# Altium PCB Booster_Main_Board.PcbDoc (part 7 of 11)
Units mil, origin at the board's own origin, x right, y up, seen from the top; angles counter-clockwise.
Board outline 15748.38 x 4626.33 mil, 4 copper layers (Component Side, Signal Layer 1, Power Plane, Solder Side), stack 63.149 mil thick; 999 components, 572 nets, 2902 pads, 1949 vias.
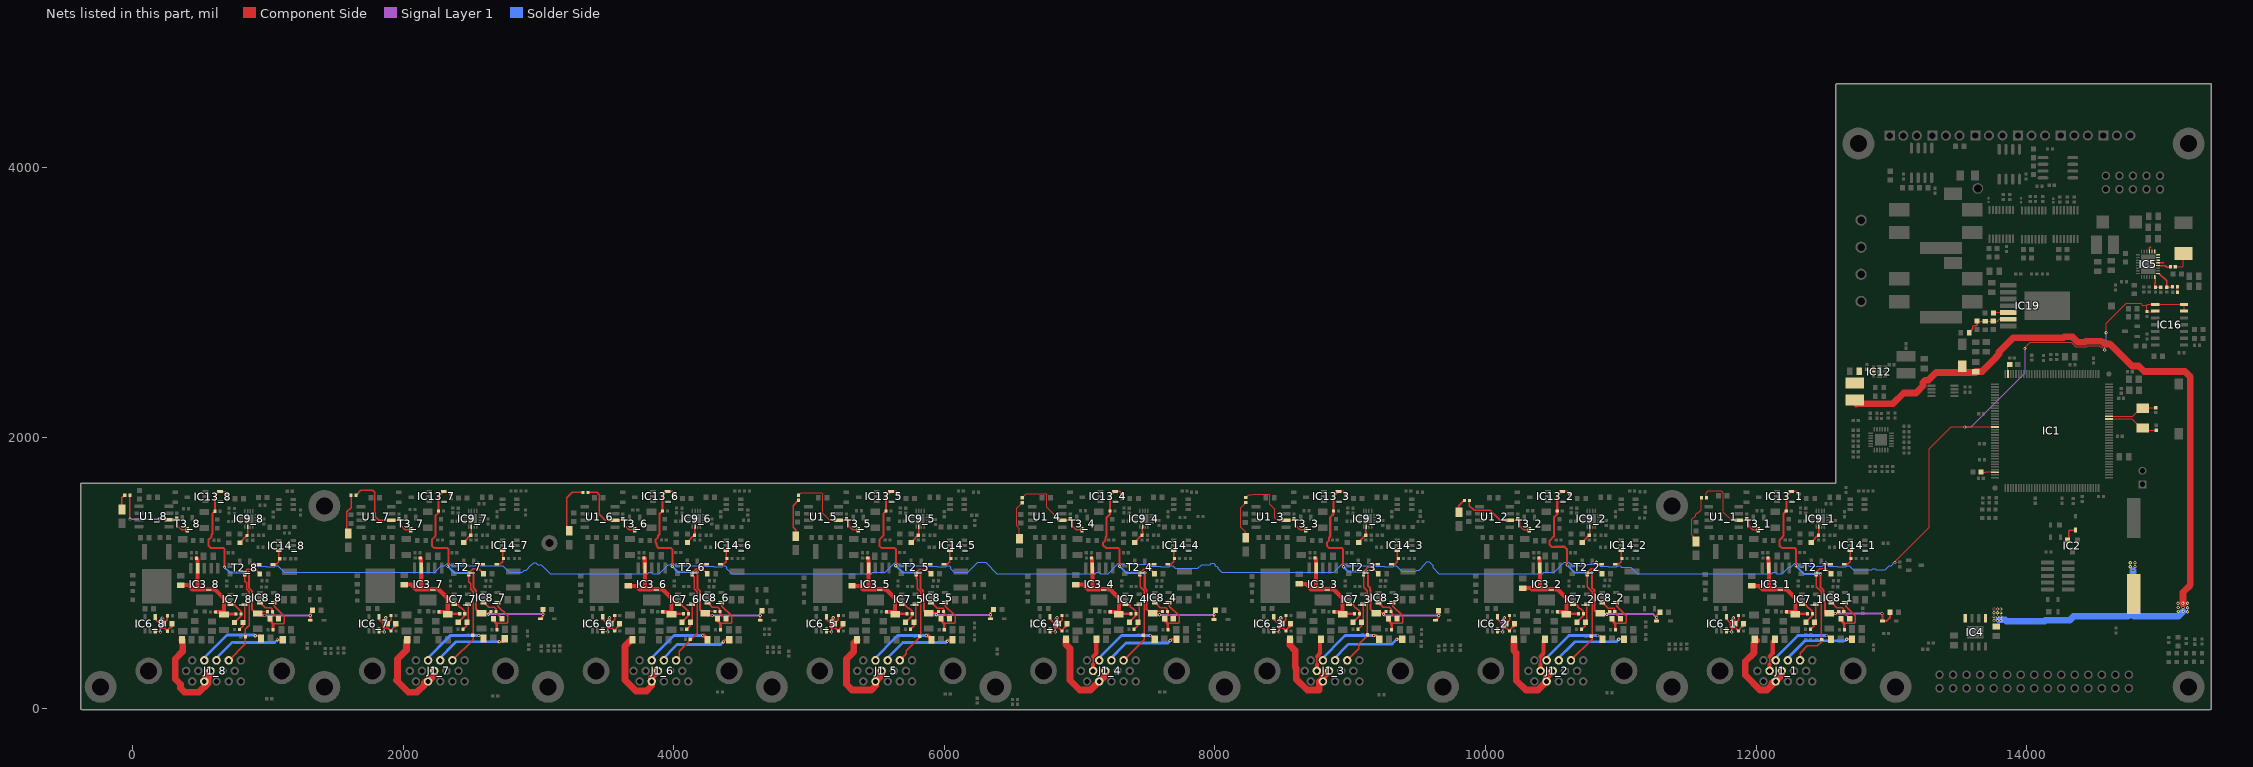
[diagram p9: the nets of this part, all layers, seen from the top]

## Via types
v1: diameter 23.62, hole 11.81, Component Side to Solder Side, tented both sides, 1910 vias
v2: diameter 50, hole 28, Component Side to Solder Side, tented both sides, 24 vias
v3: diameter 23.62, hole 11.81, Component Side to Solder Side, 10 vias
v4: diameter 47.24, hole 31.5, Component Side to Solder Side, 5 vias

## Nets (pads, with @x,y where several pads share a name; then routed paths per layer and width w, separated by ;. In a path a pad name is that pad's centre, name@x,y a point inside that pad or via, vN(x,y) a via of type N, cw(c..) or ccw(c..) an arc to the next point about the centre after c; other vN are vias at no path point) (continued)
NetC3_1: C3.1 IC1.23 Q1.1 | length 341.2
  Component Side w6: IC1.23@14607.26,2137.58 14777.42,2137.58 Q1.1@14823,2092 ; Q1.1@14857,2071.17 14872.88,2055.28 C3.1@14957,2055.28
NetC4_1: C4.1 IC1.24 Q1.2 | length 333.2
  Component Side w6: IC1.24@14607.26,2157.27 14785.27,2157.27 Q1.2@14826,2198 ; Q1.2@14857,2216.84 14860.88,2220.72 C4.1@14953,2220.72
NetC17_2: C17.2 IC1.106 | length 106.7
  Component Side w6: C17.2@13660.53,1746 13662.65,1743.88 13696.45,1743.88 13698.38,1745.81 13762.81,1745.81 IC1.106@13764.74,1743.88
NetC18_2: C18.2 IC1.71 | length 68.4
  Component Side w6: IC1.71@13861.2,2470.26 C18.2@13861.2,2538.67
NetC19_1_2: C19_1.2 IC3_1.4 R10_1.2 R11_1.1 R39_1.2 R49_1.2 | length 874.9
  Component Side w20: R39_1.2@12289.76,694.13 12292.77,697.14 R49_1.2@12378.67,697.14
  Component Side w30: C19_1.2@11967,903.57 12022.43,903.57 12046.86,879.14 12094.09,879.14 ; R10_1.2@12086.81,1110.47 12092.52,1104.76 12092.52,1037.24 IC3_1.4@12094.09,1035.67 12094.09,879.14 ; R11_1.1@12225.59,711.85 12272.05,711.85 R39_1.2@12289.76,694.13 12289.76,812.55 12223.17,879.14 12094.09,879.14
NetC19_2_2: C19_2.2 IC3_2.4 R10_2.2 R11_2.1 R39_2.2 R49_2.2 | length 867.4
  Component Side w20: R39_2.2@10596.85,694.13 10599.86,697.14 R49_2.2@10685.76,697.14
  Component Side w30: C19_2.2@10275,887.57 10334.57,887.57 10343,879.14 10401.18,879.14 ; R10_2.2@10393.9,1110.47 10399.61,1104.76 10399.61,1037.24 IC3_2.4@10401.18,1035.67 10401.18,879.14 ; R11_2.1@10532.68,711.85 10579.13,711.85 R39_2.2@10596.85,694.13 10596.85,812.55 10530.26,879.14 10401.18,879.14
NetC19_3_2: C19_3.2 IC3_3.4 R10_3.2 R11_3.1 R39_3.2 R49_3.2 | length 879.6
  Component Side w20: R39_3.2@8943.31,694.13 8946.31,697.14 R49_3.2@9032.21,697.14
  Component Side w30: C19_3.2@8622,918.57 8671.43,918.57 8710.86,879.14 8747.64,879.14 ; R10_3.2@8740.35,1110.47 8746.06,1104.76 8746.06,1037.24 IC3_3.4@8747.64,1035.67 8747.64,879.14 ; R11_3.1@8879.13,711.85 8925.59,711.85 R39_3.2@8943.31,694.13 8943.31,812.55 8876.72,879.14 8747.64,879.14
NetC19_4_2: C19_4.2 IC3_4.4 R10_4.2 R11_4.1 R39_4.2 R49_4.2 | length 876
  Component Side w20: R39_4.2@7289.76,694.13 7292.77,697.14 R49_4.2@7378.67,697.14
  Component Side w30: C19_4.2@6970,913.57 7025.43,913.57 7059.86,879.14 7094.09,879.14 ; R10_4.2@7086.81,1110.47 7092.52,1104.76 7092.52,1037.24 IC3_4.4@7094.09,1035.67 7094.09,879.14 ; R11_4.1@7225.59,711.85 7272.05,711.85 R39_4.2@7289.76,694.13 7289.76,812.55 7223.17,879.14 7094.09,879.14
NetC19_5_2: C19_5.2 IC3_5.4 R10_5.2 R11_5.1 R39_5.2 R49_5.2 | length 871.3
  Component Side w20: R39_5.2@5636.22,694.13 5639.23,697.14 R49_5.2@5725.13,697.14
  Component Side w30: C19_5.2@5317,903.57 5375.43,903.57 5399.86,879.14 5440.55,879.14 ; R10_5.2@5433.27,1110.47 5438.98,1104.76 5438.98,1037.24 IC3_5.4@5440.55,1035.67 5440.55,879.14 ; R11_5.1@5572.05,711.85 5618.5,711.85 R39_5.2@5636.22,694.13 5636.22,812.55 5569.63,879.14 5440.55,879.14
NetC19_6_2: C19_6.2 IC3_6.4 R10_6.2 R11_6.1 R39_6.2 R49_6.2 | length 870.2
  Component Side w20: R39_6.2@3982.68,694.13 3985.68,697.14 R49_6.2@4071.58,697.14
  Component Side w30: C19_6.2@3665,904.57 3722.43,904.57 3747.86,879.14 3787.01,879.14 ; R10_6.2@3779.72,1110.47 3785.43,1104.76 3785.43,1037.24 IC3_6.4@3787.01,1035.67 3787.01,879.14 ; R11_6.1@3918.5,711.85 3964.96,711.85 R39_6.2@3982.68,694.13 3982.68,812.55 3916.09,879.14 3787.01,879.14
NetC19_7_2: C19_7.2 IC3_7.4 R10_7.2 R11_7.1 R39_7.2 R49_7.2 | length 876.4
  Component Side w20: R39_7.2@2329.13,694.13 2332.14,697.14 R49_7.2@2418.04,697.14
  Component Side w30: C19_7.2@2009,913.57 2059.43,913.57 2093.86,879.14 2133.46,879.14 ; R10_7.2@2126.18,1110.47 2131.89,1104.76 2131.89,1037.24 IC3_7.4@2133.46,1035.67 2133.46,879.14 ; R11_7.1@2264.96,711.85 2311.42,711.85 R39_7.2@2329.13,694.13 2329.13,812.55 2262.54,879.14 2133.46,879.14
NetC19_8_2: C19_8.2 IC3_8.4 R10_8.2 R11_8.1 R39_8.2 R49_8.2 | length 876.3
  Component Side w20: R39_8.2@675.59,692.99 678.6,696 R49_8.2@764.5,696
  Component Side w30: C19_8.2@354.33,909.45 409.45,909.45 440.9,878 479.92,878 ; R10_8.2@472.64,1109.33 478.35,1103.62 478.35,1036.1 IC3_8.4@479.92,1034.53 479.92,878 ; R11_8.1@611.42,710.71 657.87,710.71 R39_8.2@675.59,692.99 675.59,811.41 609,878 479.92,878
NetC20_1_2: C20_1.2 R35_1.1 T3_1.3 U1_1.2 | length 658.6
  Component Side w6: R35_1.1@11632.68,1555.12 11632.68,1593.31 11645.18,1605.81 11740.65,1605.81 11757.78,1588.68 11757.78,1449.71 11818.87,1388.62 U1_1.2@11871.46,1388.62
  Component Side w10: U1_1.2@11871.46,1388.62 11918.37,1388.62 C20_1.2@11930.17,1400.43 11945.17,1385.43 11945.17,1350.14 11976.45,1318.87 T3_1.3@12017.17,1318.87
NetC20_2_2: C20_2.2 R35_2.1 T3_2.3 U1_2.2 | length 586.1
  Component Side w10: R35_2.1@9880.71,1535.43 9880.71,1497.24 9915.54,1462.42 10033.65,1462.42 10107.44,1388.62 U1_2.2@10178.54,1388.62 10225.46,1388.62 C20_2.2@10237.26,1400.43 10252.26,1385.43 10252.26,1350.14 10283.54,1318.87 T3_2.3@10324.26,1318.87
NetC20_3_2: C20_3.2 R35_3.1 T3_3.3 U1_3.2 | length 670.9
  Component Side w6: R35_3.1@8228.35,1556.31 8248.03,1576 8274.22,1576 8281.28,1583.06 8396.84,1583.06 8405.51,1574.38 8405.51,1525.49 8404.39,1524.37 8404.39,1507.13 8442.64,1468.88 8442.64,1406.34 8460.36,1388.62 U1_3.2@8525,1388.62
  Component Side w10: U1_3.2@8525,1388.62 8571.91,1388.62 C20_3.2@8583.72,1400.43 8598.72,1385.43 8598.72,1350.14 8629.99,1318.87 T3_3.3@8670.72,1318.87
NetC20_4_2: C20_4.2 R35_4.1 T3_4.3 U1_4.2 | length 652.9
  Component Side w6: R35_4.1@6574.8,1555.31 6604.3,1584.81 6751.97,1584.81 6758.13,1578.65 6758.13,1484.48 6809.88,1432.72 6809.88,1428.38 6849.65,1388.62 U1_4.2@6871.46,1388.62
  Component Side w10: U1_4.2@6871.46,1388.62 6918.37,1388.62 C20_4.2@6930.17,1400.43 6945.17,1385.43 6945.17,1350.14 6976.45,1318.87 T3_4.3@7017.17,1318.87
NetC20_5_2: C20_5.2 R35_5.1 T3_5.3 U1_5.2 | length 680.2
  Component Side w6: R35_5.1@4921.26,1573.62 4941.64,1594 5091,1594 5099.8,1585.2 5099.8,1440.2 5151.38,1388.62 U1_5.2@5217.91,1388.62
  Component Side w10: U1_5.2@5217.91,1388.62 5264.83,1388.62 C20_5.2@5276.63,1400.43 5291.63,1385.43 5291.63,1350.14 5322.91,1318.87 T3_5.3@5363.63,1318.87
NetC20_6_2: C20_6.2 R35_6.1 T3_6.3 U1_6.2 | length 575.1
  Component Side w10: R35_6.1@3364.96,1594.49 3433.16,1594.49 3449.04,1578.61 3449.04,1432.85 3493.27,1388.62 U1_6.2@3564.37,1388.62 3611.28,1388.62 C20_6.2@3623.09,1400.43 3638.09,1385.43 3638.09,1350.14 3669.36,1318.87 T3_6.3@3710.09,1318.87
NetC20_7_2: C20_7.2 R35_7.1 T3_7.3 U1_7.2 | length 673.2
  Component Side w10: R35_7.1@1652.36,1574.8 1687.13,1609.57 1776.25,1609.57 1791.34,1594.49 1791.34,1449.58 1794.46,1446.46 1794.46,1414.2 1820.04,1388.62 U1_7.2@1910.83,1388.62 1957.74,1388.62 C20_7.2@1969.54,1400.43 1984.54,1385.43 1984.54,1350.14 2015.82,1318.87 T3_7.3@2056.54,1318.87
NetC20_8_2: C20_8.2 R35_8.1 T3_8.3 U1_8.2 | length 689.6
  Component Side w10: R35_8.1@-20.87,1574.8 -20.87,1398.82 v1(-19.68,1397.63) ; v1(196.85,1397.64) 202.17,1392.32 U1_8.2@268.7,1392.32 ; U1_8.2@257.28,1387.48 308.2,1387.48 C20_8.2@327,1406.28 331,1402.28 331,1349 362.28,1317.72 T3_8.3@403,1317.72
  Signal Layer 1 w10: v1(-19.68,1397.63) v1(196.85,1397.64)
NetC21_2: C21.2 C54.1 C61.1 D3.1 IC4.5 IC4.8 L1.1 | length 6264.1
  Component Side w50: L1.1@12739.99,2249 12741.99,2251 13012,2251 13091,2330 13180.54,2330 13233.86,2383.31 13233.86,2406.08 13252.02,2424.24 13273.08,2424.24 13330.84,2482 C54.1@13623.03,2482 ; C54.1@13623.03,2488.19 13670.42,2488.19 13773.19,2590.96 13773.19,2596.67 13794.83,2618.31 13794.83,2632.29 13900.98,2738.45 14273.31,2738.45 14279.51,2744.65 14337.5,2744.65 14377.95,2704.2 14427.84,2704.2 14435.93,2712.29 14549.78,2712.29 14557.28,2704.78 14567.71,2704.78 14579.72,2692.77 14614.31,2692.77 14777.88,2529.2 14827.6,2529.2 14868.61,2488.19 15169.81,2488.19 15209,2449 15209,912 15154,857 v1(15154,775) 15154,770 v1@15156,768
  Solder Side w50: v1@13793,653 13840.07,653 13849.87,643.2 14131.88,643.2 14138.28,649.61 14316.61,649.61 14346.13,679.13 14746.59,679.13 14754.27,686.81 14789.73,686.81 ; v1(14785,1015) 14785,691.54 14789.73,686.81 ; v1(15156,716) 15119.13,679.13 14797.41,679.13 14789.73,686.81
  other v1: 13758,647 13784,647 13809,647 13758,675 13784,675 13809,675 13809,704 13758,705 13783,705 15189,713 15120,715 13758,733 13783,733 13809,733 15189,743 15120,744 15155,744 15118,776 15189,776 14765,1045 14800,1045 14765,1075 14800,1075
NetC23_1: C23.1 IC5.18 | length 98.5
  Component Side w10: IC5.18@14971.66,3271.76 15023.7,3271.76 15036.57,3258.89 C23.1@15064.86,3258.89
NetC23_2: C23.2 IC5.19 IC5.20 IC5.21 IC5.22 IC5.23 IC5.24 IC5.25 L3.1 | length 222.1
  Component Side w6: C23.2@15098.43,3261.81 15151.57,3261.81 15157.48,3267.72 15157.48,3330.71 L3.1@15170.28,3343.5
  Component Side w10: IC5.25@14906.7,3376.09 14906.7,3398.83 14917.32,3409.45 ; IC5.19@14971.66,3291.45 15007.98,3291.45 15011.81,3295.28
NetC26_2: C26.2 IC5.15 R15.2 | length 176.4
  Component Side w10: IC5.15@14971.66,3212.71 14979.76,3212.71 15034.86,3157.61 C26.2@15034.86,3111.32 15072.15,3111.32 R15.2@15075.98,3115.16 ; 15035.86,3142.61 15036.86,3141.61
NetC27_2: C27.2 R15.1 | length 40.8
  Component Side w6: R15.1@15112.99,3115.16 15114.17,3113.98 C27.2@15114.17,3074.8
NetC28_1_2: C28_1.2 D6_1.2 IC13_1.5 R38_1.1 R46_1.2 R86_1.2 R104_1.1 | length 1855.5
  Component Side w10: IC13_1.5@12259.76,1602.72 12295.98,1602.72 R86_1.2@12315.38,1583.32 ; R38_1.1@12539.17,702.09 12597.09,702.09 12610,715 R46_1.2@12610.67,715
  Component Side w15: 12230.01,1183 12191.52,1183 12172.75,1201.77 12172.75,1242.75 12189.75,1259.75 12189.75,1260.94 12202,1273.19 12202,1436.47 R104_1.1@12222.67,1457.14 12222.67,1565.62 IC13_1.5@12259.76,1602.72 ; 12230.04,1183.03 12286.5,1183.03 12294.41,1175.12 12294.41,1052.41 v1(12294,1052) ; v1(12476,991) 12476,893.25 12498.5,870.75 12498.5,850.73 12508,841.23 R38_1.1@12508,697 ; v1(12930,700) 12933.82,696.18 D6_1.2@12933.82,645 12965,645 12988.5,668.5 C28_1.2@12988.5,710
  Signal Layer 1 w15: v1(12585,700) v1(12930,700)
  Solder Side w15: v1(12294,1052) 12355,991 v1(12476,991)
NetC28_2_2: C28_2.2 D6_2.2 IC13_2.5 R38_2.1 R46_2.2 R86_2.2 R104_2.1 | length 1815.4
  Component Side w10: IC13_2.5@10566.85,1602.72 10603.07,1602.72 R86_2.2@10622.47,1583.32 ; R38_2.1@10846.26,702.09 10853.35,695 v1(10895,695) 10897.76,695 R46_2.2@10917.76,715
  Component Side w15: IC13_2.5@10566.85,1602.72 10529.76,1565.62 R104_2.1@10529.76,1457.14 10529.76,1433.76 10505.46,1409.46 10505.46,1270.46 10473.69,1238.69 10473.69,1206.52 10488.52,1191.69 10510.6,1191.69 10512.22,1193.31 10583.3,1193.31 10601.58,1175.03 10601.58,1059.42 v1(10603,1058) ; v1(10786,1002) 10786,890.34 10806.5,869.84 10806.5,721.5 R38_2.1@10824,704 ; D6_2.2@11263.82,645 v1(11263.82,670) 11263.82,685.31 C28_2.2@11288.5,710
  Signal Layer 1 w15: v1(10895,695) 11238.82,695 v1(11263.82,670)
  Solder Side w15: v1(10603,1058) 10659,1002 v1(10786,1002)
NetC28_3_2: C28_3.2 D6_3.2 IC13_3.5 R38_3.1 R46_3.2 R86_3.2 R104_3.1 | length 1860.8
  Component Side w10: IC13_3.5@8913.31,1602.72 8949.53,1602.72 R86_3.2@8968.93,1583.32 ; R38_3.1@9192.72,702.09 9195.63,705 9255,705 R46_3.2@9255,705.79
  Component Side w15: IC13_3.5@8913.31,1602.72 8876.21,1565.62 R104_3.1@8876.21,1457.14 8876.21,1435.21 8851.92,1410.92 8851.92,1269.56 8843.3,1260.94 8843.3,1239.74 8826.29,1222.74 8826.29,1201.77 8845.04,1183.03 8940.04,1183.03 8947.95,1175.12 8947.95,1048.05 v1(8950,1046) ; v1(9132,1010) 9132,903 9144.5,890.5 9144.5,876.88 9150,871.38 9150,732 9179.91,702.09 R38_3.1@9192.72,702.09 ; D6_3.2@9629.8,649.76 9653.5,673.46 v1(9653.5,685) C28_3.2@9653.5,720
  Signal Layer 1 w15: v1(9245,695) 9245,690 9250,685 v1(9653.5,685)
  Solder Side w15: v1(8950,1046) 8986.17,1009.83 9131.83,1009.83 v1(9132,1010)
NetC28_4_2: C28_4.2 D6_4.2 IC13_4.5 R38_4.1 R46_4.2 R86_4.2 R104_4.1 | length 1908.6
  Component Side w10: IC13_4.5@7259.76,1602.72 7295.98,1602.72 R86_4.2@7315.38,1583.32 ; R38_4.1@7539.17,702.09 7552.09,715 R46_4.2@7610.67,715
  Component Side w15: IC13_4.5@7259.76,1602.72 7222.67,1565.62 R104_4.1@7222.67,1457.14 7222.67,1431.67 7198.37,1407.37 7198.37,1269.56 7189.75,1260.94 7189.75,1239.74 7172.75,1222.74 7172.75,1201.77 7180.69,1193.83 7185.47,1193.83 7196.27,1183.03 7286.5,1183.03 7295,1174.52 v1(7295,1049) ; v1(7481,1001) 7481,888.16 7494.5,874.66 7494.5,730.5 7522.91,702.09 R38_4.1@7539.17,702.09 7551.26,690 v1(7590,690) ; D6_4.2@7993.82,655 v1(7993.82,690) 7993.82,715.31 C28_4.2@8003.5,725
  Signal Layer 1 w15: v1(7590,690) v1(7993.82,690)
  Solder Side w15: v1(7295,1049) 7343,1001 v1(7481,1001)
NetC28_5_2: C28_5.2 D6_5.2 IC13_5.5 R38_5.1 R46_5.2 R86_5.2 R104_5.1 | length 1837.9
  Component Side w10: IC13_5.5@5606.22,1602.72 5642.44,1602.72 R86_5.2@5661.84,1583.32
  Component Side w15: IC13_5.5@5606.22,1602.72 5569.13,1565.62 R104_5.1@5569.13,1457.14 5548.69,1436.7 5548.69,1275.11 5519.21,1245.63 5519.21,1201.77 5537.95,1183.03 5632.95,1183.03 5640.86,1175.12 5640.86,1053.14 v1(5641,1053) ; v1(5823,1003) 5823,886.16 5842.5,866.66 5842.5,824.24 5849,817.74 5849,722 5868.91,702.09 R38_5.1@5885.63,702.09 5944.21,702.09 R46_5.2@5957.13,715 ; D6_5.2@6340.63,660.39 v1(6340.63,690) 6340.63,705.63 C28_5.2@6355,720
  Signal Layer 1 w15: v1(5940,690) v1(6340.63,690)
  Solder Side w15: v1(5641,1053) 5691,1003 v1(5823,1003)
NetC28_6_2: C28_6.2 D6_6.2 IC13_6.5 R38_6.1 R46_6.2 R86_6.2 R104_6.1 | length 1871.1
  Component Side w10: IC13_6.5@3952.68,1602.72 3988.9,1602.72 R86_6.2@4008.3,1583.32 ; R38_6.1@4232.09,702.09 4245,715 R46_6.2@4303.58,715
  Component Side w15: IC13_6.5@3952.68,1602.72 3943.72,1602.72 3915,1574 3915,1457.72 R104_6.1@3915.58,1457.14 3894,1435.56 3894,1285.85 3884.59,1276.44 3884.59,1264.55 3865.66,1245.63 3865.66,1226.43 3873.5,1218.59 3873.5,1204.3 3880.31,1197.48 3880.31,1187.12 3884.41,1183.03 3979.41,1183.03 3989,1173.44 v1(3989,1048) ; v1(4174,1006) 4174,885.16 4192.42,866.74 4192.42,729.58 4219.91,702.09 R38_6.1@4232.09,702.09 4249.17,685 v1(4285,685) ; D6_6.2@4638.82,650 v1(4638.82,685) 4638.82,705.31 C28_6.2@4653.5,720
  Signal Layer 1 w15: v1(4285,685) v1(4638.82,685)
  Solder Side w15: v1(3989,1048) 4031,1006 v1(4174,1006)
NetC28_7_2: C28_7.2 D6_7.2 IC13_7.5 R38_7.1 R46_7.2 R86_7.2 R104_7.1 | length 1867.1
  Component Side w10: IC13_7.5@2299.13,1602.72 2300.32,1601.53 2336.54,1601.53 R86_7.2@2354.75,1583.32 ; R38_7.1@2578.54,702.09 2637.13,702.09 R46_7.2@2650.04,715
  Component Side w15: IC13_7.5@2299.13,1602.72 2262.04,1565.62 R104_7.1@2262.04,1457.14 2262.04,1446.04 2237.74,1421.74 2237.74,1271.25 2212.12,1245.63 2212.12,1201.77 2230.86,1183.03 2325.87,1183.03 2333.78,1175.12 2333.78,1051.78 v1(2330,1048) ; v1(2519,999) 2519,889 2530.5,877.5 2530.5,876.71 2537.88,869.33 2537.88,733.12 2568.91,702.09 R38_7.1@2578.54,702.09 ; v1@2630.04,695 v1@2637.13,702.09 ; D6_7.2@3013.82,660 3033.5,679.69 v1(3033.5,695) C28_7.2@3033.5,730
  Signal Layer 1 w15: v1(2630,695) v1(3033.5,695)
  Solder Side w15: v1(2330,1048) 2379,999 v1(2519,999)
NetC28_8_2: C28_8.2 D6_8.2 IC13_8.5 R38_8.1 R46_8.2 R86_8.2 R104_8.1 | length 1959.9
  Component Side w10: IC13_8.5@645.59,1601.57 681.81,1601.57 R86_8.2@701.21,1582.18 ; 677.73,1147 677.73,1043.27 v1(678,1043) ; R38_8.1@925,700.94 937.91,713.86 R46_8.2@996.5,713.86
  Component Side w15: IC13_8.5@645.59,1601.57 637.57,1601.57 623.89,1587.89 623.89,1586.12 608.5,1570.73 R104_8.1@608.5,1456 589,1436.5 589,1286.8 584.2,1282 584.2,1268.42 561.08,1245.3 561.08,1201.13 576.52,1185.69 668.52,1185.69 680.23,1173.98 680.23,1045.23 v1(678,1043) ; v1(861,1004) 861.27,1003.73 861.27,887.01 881.33,866.95 881.33,732.67 913.06,700.94 R38_8.1@925,700.94 940.94,685 v1(975,685) ; D6_8.2@1313.15,648.98 v1(1313.15,685) 1313.15,709.65 C28_8.2@1328.5,725
  Signal Layer 1 w15: v1(975,685) v1(1313.15,685)
  Solder Side w15: v1(678,1043) 717,1004 v1(861,1004)
NetC38_1_1: C38_1.1 IC6_1.4 R43_1.1 | length 236.3
  Component Side w10: IC6_1.4@11781.57,676.18 11781.57,659.09 11808.98,631.69 11808.98,599.1 11817.76,590.31 11850.35,590.31 R43_1.1@11870.67,570 11870.67,577.83 11890.05,597.2 11897.87,597.2 11905.67,605 C38_1.1@11905.67,625
NetC38_1_2: C38_1.2 IC6_1.3 R44_1.1 | length 276.2
  Component Side w10: IC6_1.3@11781.57,573.82 11785.08,570.31 11820,570.31 11820.17,570.14 v1(11820.17,563.14) ; v1(11832.17,668.14) 11842.68,657.64 C38_1.2@11842.68,625 11870.67,652.99 R44_1.1@11870.67,685
  Solder Side w10: v1(11820.17,563.14) 11820.17,656.14 v1(11832.17,668.14)
NetC38_2_1: C38_2.1 IC6_2.4 R43_2.1 | length 236.3
  Component Side w10: IC6_2.4@10088.66,676.18 10088.66,659.09 10116.06,631.69 10116.06,599.1 10124.85,590.31 10157.44,590.31 R43_2.1@10177.76,570 10177.76,577.83 10197.13,597.2 10204.96,597.2 10212.76,605 C38_2.1@10212.76,625
NetC38_2_2: C38_2.2 IC6_2.3 R44_2.1 | length 276.2
  Component Side w10: IC6_2.3@10088.66,573.82 10092.17,570.31 10127.09,570.31 10127.26,570.14 v1(10127.26,563.14) ; v1(10139.26,668.14) 10149.76,657.64 C38_2.2@10149.76,625 10177.76,652.99 R44_2.1@10177.76,685
  Solder Side w10: v1(10127.26,563.14) 10127.26,656.14 v1(10139.26,668.14)
NetC38_3_1: C38_3.1 IC6_3.4 R43_3.1 | length 236.3
  Component Side w10: IC6_3.4@8435.12,676.18 8435.12,659.09 8462.52,631.69 8462.52,599.1 8471.31,590.31 8503.9,590.31 R43_3.1@8524.21,570 8524.21,577.83 8543.59,597.2 8551.42,597.2 8559.21,605 C38_3.1@8559.21,625
NetC38_3_2: C38_3.2 IC6_3.3 R44_3.1 | length 276.2
  Component Side w10: IC6_3.3@8435.12,573.82 8438.62,570.31 8473.54,570.31 8473.72,570.14 v1(8473.72,563.14) ; v1(8485.72,668.14) 8496.22,657.64 C38_3.2@8496.22,625 8524.21,652.99 R44_3.1@8524.21,685
  Solder Side w10: v1(8473.72,563.14) 8473.72,656.14 v1(8485.72,668.14)
NetC38_4_1: C38_4.1 IC6_4.4 R43_4.1 | length 236.3
  Component Side w10: IC6_4.4@6781.57,676.18 6781.57,659.09 6808.98,631.69 6808.98,599.1 6817.76,590.31 6850.35,590.31 R43_4.1@6870.67,570 6870.67,577.83 6890.05,597.2 6897.87,597.2 6905.67,605 C38_4.1@6905.67,625
NetC38_4_2: C38_4.2 IC6_4.3 R44_4.1 | length 276.2
  Component Side w10: IC6_4.3@6781.57,573.82 6785.08,570.31 6820,570.31 6820.17,570.14 v1(6820.17,563.14) ; v1(6832.17,668.14) 6842.68,657.64 C38_4.2@6842.68,625 6870.67,652.99 R44_4.1@6870.67,685
  Solder Side w10: v1(6820.17,563.14) 6820.17,656.14 v1(6832.17,668.14)
NetC38_5_1: C38_5.1 IC6_5.4 R43_5.1 | length 236.3
  Component Side w10: IC6_5.4@5128.03,676.18 5128.03,659.09 5155.43,631.69 5155.43,599.1 5164.22,590.31 5196.81,590.31 R43_5.1@5217.13,570 5217.13,577.83 5236.5,597.2 5244.33,597.2 5252.13,605 C38_5.1@5252.13,625
NetC38_5_2: C38_5.2 IC6_5.3 R44_5.1 | length 276.2
  Component Side w10: IC6_5.3@5128.03,573.82 5131.54,570.31 5166.46,570.31 5166.63,570.14 v1(5166.63,563.14) ; v1(5178.63,668.14) 5189.13,657.64 C38_5.2@5189.13,625 5217.13,652.99 R44_5.1@5217.13,685
  Solder Side w10: v1(5166.63,563.14) 5166.63,656.14 v1(5178.63,668.14)
NetC38_6_1: C38_6.1 IC6_6.4 R43_6.1 | length 236.3
  Component Side w10: IC6_6.4@3474.49,676.18 3474.49,659.09 3501.89,631.69 3501.89,599.1 3510.68,590.31 3543.27,590.31 R43_6.1@3563.58,570 3563.58,577.83 3582.96,597.2 3590.79,597.2 3598.58,605 C38_6.1@3598.58,625
NetC38_6_2: C38_6.2 IC6_6.3 R44_6.1 | length 276.2
  Component Side w10: IC6_6.3@3474.49,573.82 3477.99,570.31 3512.91,570.31 3513.09,570.14 v1(3513.09,563.14) ; v1(3525.09,668.14) 3535.59,657.64 C38_6.2@3535.59,625 3563.58,652.99 R44_6.1@3563.58,685
  Solder Side w10: v1(3513.09,563.14) 3513.09,656.14 v1(3525.09,668.14)
NetC38_7_1: C38_7.1 IC6_7.4 R43_7.1 | length 236.3
  Component Side w10: IC6_7.4@1820.95,676.18 1820.95,659.09 1848.35,631.69 1848.35,599.1 1857.13,590.31 1889.72,590.31 R43_7.1@1910.04,570 1910.04,577.83 1929.42,597.2 1937.24,597.2 1945.04,605 C38_7.1@1945.04,625
NetC38_7_2: C38_7.2 IC6_7.3 R44_7.1 | length 276.2
  Component Side w10: IC6_7.3@1820.95,573.82 1824.45,570.31 1859.37,570.31 1859.54,570.14 v1(1859.54,563.14) ; v1(1871.54,668.14) 1882.05,657.64 C38_7.2@1882.05,625 1910.04,652.99 R44_7.1@1910.04,685
  Solder Side w10: v1(1859.54,563.14) 1859.54,656.14 v1(1871.54,668.14)
NetC38_8_1: C38_8.1 IC6_8.4 R43_8.1 | length 236.3
  Component Side w10: IC6_8.4@167.4,675.04 167.4,657.95 194.8,630.55 194.8,597.96 203.59,589.17 236.18,589.17 R43_8.1@256.5,568.86 256.5,576.69 275.87,596.06 283.7,596.06 291.5,603.86 C38_8.1@291.5,623.86
NetC38_8_2: C38_8.2 IC6_8.3 R44_8.1 | length 276.2
  Component Side w10: IC6_8.3@167.4,572.68 170.91,569.17 205.83,569.17 206,569 v1(206,562) ; v1(218,667) 228.5,656.5 C38_8.2@228.5,623.86 256.5,651.85 R44_8.1@256.5,683.86
  Solder Side w10: v1(206,562) 206,655 v1(218,667)
NetC40_1_1: C40_1.1 IC8_1.3 R46_1.1 | length 205.4
  Component Side w10: IC8_1.3@12560.72,777.6 12595.13,743.19 12636.13,743.19 12647.68,731.64 R46_1.1@12647.68,715 12647.68,706.64 12690.67,663.65 C40_1.1@12690.67,650
NetC40_1_2: C40_1.2 IC8_1.4 R47_1.1 | length 362.5
  Component Side w10: 12651.97,625.71 12642.24,625.71 12641.49,626.46 12651.22,626.46 12726.72,626.46 12734.17,633.9 12734.17,682.14 12661.1,755.21 12661.1,771.21 IC8_1.4@12654.72,777.6
  Component Side w20: C40_1.2@12627.68,650 12651.22,626.46 ; 12651.97,625.71 12651.97,580.71 R47_1.1@12652.68,580
NetC40_2_1: C40_2.1 IC8_2.3 R46_2.1 | length 205.4
  Component Side w10: IC8_2.3@10867.8,777.6 10906.21,739.19 10947.21,739.19 10954.76,731.64 R46_2.1@10954.76,715 10954.76,706.64 10997.76,663.65 C40_2.1@10997.76,650
NetC40_2_2: C40_2.2 IC8_2.4 R47_2.1 | length 362.5
  Component Side w10: 10959.06,625.71 10949.32,625.71 10948.57,626.46 10958.31,626.46 11033.81,626.46 11041.26,633.9 11041.26,682.14 10968.19,755.21 10968.19,771.21 IC8_2.4@10961.8,777.6
  Component Side w20: C40_2.2@10934.76,650 10958.31,626.46 ; 10959.06,625.71 10959.06,580.71 R47_2.1@10959.76,580
NetC40_3_1: C40_3.1 IC8_3.3 R46_3.1 | length 207.9
  Component Side w10: IC8_3.3@9214.26,777.6 9214.26,773.48 9242.55,745.19 9287.67,745.19 9301.22,731.64 R46_3.1@9301.22,715 9301.22,706.64 9344.21,663.65 C40_3.1@9344.21,650